# Allegro board SG2042_EVB_V1_1.brd (continued)
## Routing (per net, layer and track width the routed paths; a pad name or vN(x,y) marks a point on that pad's centre or on a via; arc(x,y) is an arc through that point) (continued)
ADDR: length 4.3
  TOP w0.102: U37.42 61.69,198.05 62.61,197.12 62.61,196.39 62.88,196.11 R480.1 R396.1
BISR_BYP: length 183.6
  TOP w0.102: R131.2 v1(259.01,115.54) SW3.6 ; U1.D41 v1(150.97,131.15)
  ART10 w0.102: v1(259.01,115.54) 252.88,121.68 252.88,170.66 v1(252.35,171.2)
  BOTTOM w0.102: v1(252.35,171.2) 251.97,171.58 196.06,171.58 194.71,172.92 186.83,172.92 150.97,137.06 v1(150.97,131.15)
BOOT_SEL0: length 131.5
  TOP w0.102: SW2.1 v1(29.96,162.33) R119.2 ; U1.J17 v1(125.97,126.15)
  ART10 w0.102: v1(29.96,162.33) 29.54,162.75 29.54,169.53 v1(29.96,169.95)
  BOTTOM w0.102: v1(29.96,169.95) 31.99,171.98 89.26,171.98 125.56,135.68 125.56,126.56 v1(125.97,126.15)
BOOT_SEL1: length 139.5
  TOP w0.089: 124.88,133.91 124.88,132.24 U1.C16
  TOP w0.102: R120.2 v1(29.96,163.6) SW2.2 ; v1(47.9,175.64) 48.77,176.5 61.44,176.5 62.13,177.19 80.9,177.19 90.5,167.59 91.58,167.59 105.45,153.72 124.14,153.72 124.88,152.98 124.88,133.91
  ART10 w0.102: v1(30.84,174.27) 30.56,173.99 30.56,164.2 v1(29.96,163.6)
  BOTTOM w0.102: v1(30.84,174.27) 30.94,174.37 46.63,174.37 v1(47.9,175.64)
BOOT_SEL2: length 125.4
  TOP w0.102: R121.2 v1(29.96,164.87) SW2.3 ; U1.H16 v1(124.97,127.15)
  BOTTOM w0.102: v1(124.97,127.15) 124.59,127.53 124.59,132.63 124.09,133.13 124.09,136.29 89,171.37 33.25,171.37 29.51,167.64 29.51,165.32 v1(29.96,164.87)
BOOT_SEL3: length 137.2
  TOP w0.089: U1.B16 125.08,133.04 125.08,133.82 125.17,133.92
  TOP w0.102: v1(47.04,175.64) 48.11,176.71 61.36,176.71 62.04,177.39 80.98,177.39 90.58,167.79 91.67,167.79 105.53,153.92 124.22,153.92 125.17,152.97 125.17,133.92 ; R122.2 v1(29.96,166.14) SW2.4
  ART10 w0.102: v1(29.97,174.27) 30.35,173.89 30.35,166.53 v1(29.96,166.14)
  BOTTOM w0.102: v1(29.97,174.27) 30.35,174.65 46.05,174.65 v1(47.04,175.64)
BOOT_SEL4: length 122.8
  TOP w0.102: U1.J16 v1(124.97,126.15) ; SW2.5 v1(29.96,167.41) R123.2
  BOTTOM w0.102: v1(29.96,167.41) 33.72,171.17 88.92,171.17 123.85,136.24 123.85,133.04 124.35,132.54 124.35,126.77 v1(124.97,126.15)
BOOT_SEL5: length 118
  TOP w0.102: SW2.6 v1(29.96,168.68) R125.2 ; U1.D16 v1(124.97,131.15)
  BOTTOM w0.102: v1(29.96,168.68) 32.86,171.58 89.09,171.58 124.97,135.69 v1(124.97,131.15)
BOOT_SEL6: length 470.4
  TOP w0.102: R126.2 v1(259.01,121.89) SW3.1 ; R2492.1 v1(282.42,136.7) ; U1.G18 v1(126.97,128.15)
  ART03 w0.102: v1(48.18,208.91) 49.5,210.24 52.43,210.24 53.52,211.33 81.54,211.33 82.15,211.94 86.17,211.94 86.73,211.38 198.75,211.38 203.57,216.2 212.99,216.2 214.05,217.27 230.11,217.27 230.67,216.71 243.94,216.71 244.29,217.07 244.68,217.07 v1(245.06,216.69)
  ART10 w0.102: v1(48.18,208.91) 48.18,207.8 47.4,207.01 47.4,194.76 48.69,193.46 48.69,177.72 v1(53.52,172.9) ; v1(259.01,121.89) 253.9,127.01 253.9,171.44 247.45,177.89 247.45,194.77 244.86,197.36 244.86,216.48 v1(245.06,216.69)
  BOTTOM w0.102: v1(126.97,128.15) 126.59,128.53 126.59,131.57 126.2,131.96 126.2,135.9 89.51,172.59 53.82,172.59 v1(53.52,172.9) ; v1(259.01,121.89) 262.88,125.76 273.02,125.76 282.42,135.15 v1(282.42,136.7)
BOOT_SEL7: length 439.2
  TOP w0.102: U1.F17 v1(125.97,129.15) ; SW3.2 v1(259.01,120.62) R127.2
  ART03 w0.102: v1(244.45,216.69) 244.27,216.51 230.58,216.51 230.02,217.07 214.14,217.07 213.07,216 203.66,216 198.83,211.18 86.64,211.18 86.09,211.73 82.23,211.73 81.62,211.12 53.6,211.12 52.51,210.03 49.84,210.03 48.32,208.51 v1(47.78,208.51)
  ART10 w0.102: v1(47.78,208.51) 47.78,207.68 47.19,207.1 47.19,194.67 48.49,193.38 48.49,177.06 v1(52.65,172.9) ; v1(244.45,216.69) 244.65,216.48 244.65,197.27 247.24,194.68 247.24,177.81 253.7,171.36 253.7,125.94 v1(259.01,120.62)
  BOTTOM w0.102: v1(125.97,129.15) 126.35,129.53 126.35,131.5 126,131.85 126,135.82 89.42,172.39 53.16,172.39 v1(52.65,172.9)
CAT_FLT_DDR: length 3.8
  TOP w0.102: TP16.1 232.69,212.93 232.05,212.93 231.36,212.23 U53.41
CAT_FLT_VDDC: length 5.8
  TOP w0.102: U37.41 61.64,197.65 62.36,196.93 62.36,195.25 62.76,194.84 64.19,194.84 TP6.1
CLKIN_SEL0: length 1.9
  TOP w0.254: U17.15 v1(140.64,22.96)
  BOTTOM w0.203: v1(140.64,22.96) 140.64,22.97 R2111.2
  BOTTOM w0.381: v1(140.64,22.96) 140.64,22.96 R2112.1
CLKIN_SEL1: length 1.9
  TOP w0.254: U17.18 v1(139.14,22.96)
  BOTTOM w0.203: v1(139.14,22.96) 139.14,22.97 R2113.2
  BOTTOM w0.381: R2114.1 139.14,22.96 v1(139.14,22.96)
CORPOWER_OK: length 31.4
  TOP w0.102: R594.2 v1(294.21,173.56) ; R2075.2 v1(270.99,188.82)
  ART03 w0.102: v1(270.99,188.82) 275.69,184.12 278.79,184.12 289.23,173.69 294.08,173.69 v1(294.21,173.56)
  BOTTOM w0.102: R594.2 v1(294.21,173.56)
CS1: length 131.1
  TOP w0.102: U37.27 56.64,194.26 v1(56.11,193.73)
  TOP w0.203: U34.38 v1(176.63,201.57)
  ART10 w0.102: v1(176.63,201.57) 171.09,207.11 76.85,207.11 68.42,198.68 65.85,198.68 65.36,198.2 63.05,198.2 62.01,197.15 59.23,197.15 56.11,194.03 v1(56.11,193.73)
CS1_DDR: length 147.3
  TOP w0.203: U53.27 v1(234.42,206.93) ; U54.38 v1(221.82,74.4)
  ART10 w0.102: v1(221.82,74.4) 222.94,75.52 222.94,80.62 225.81,83.49 225.81,96.82 230.43,101.44 230.43,119.25 236.96,125.78 236.96,188.82 237.54,189.41 237.54,190.84 238.94,192.24 238.94,196.03 237.82,197.15 237.82,203.69 238.84,204.71 238.84,207.2 238.18,207.85 235.34,207.85 v1(234.42,206.93)
CS2: length 124
  TOP w0.102: v1(56.11,192) 56.77,192.66 56.77,193.88 57.04,194.15 U37.28
  TOP w0.203: U35.38 v1(166.57,201.57)
  ART10 w0.102: v1(166.57,201.57) 161.44,206.71 77.02,206.71 68.59,198.27 66.01,198.27 65.53,197.79 63.22,197.79 62.18,196.75 59.4,196.75 56.69,194.04 56.69,192.58 v1(56.11,192)
CS2_DDR: length 357.2
  TOP w0.102: U53.38 232.56,211.76 232.71,211.91 234.62,211.91 236.35,213.64 v1(236.35,221.67)
  TOP w0.203: U55.38 v1(57.28,75.01)
  ART03 w0.102: v1(44.55,212.67) 45.42,212.67 47.12,214.38 80.27,214.38 80.88,214.99 87.43,214.99 87.99,214.43 104.41,214.43 105.7,215.72 112.95,215.72 114.25,214.43 172.2,214.43 177.87,220.09 211.97,220.09 213.52,221.64 228.88,221.64 229.24,221.28 235.97,221.28 v1(236.35,221.67)
  ART10 w0.102: v1(44.55,212.67) 44.55,210.82 41.99,208.25 41.99,180.19 42.65,179.53 42.65,99.63 58.39,83.88 58.39,76.13 v1(57.28,75.01)
CS3: length 109.1
  TOP w0.102: U37.29 57.44,193.89 v1(57.28,193.73)
  TOP w0.203: U36.38 v1(156.51,201.57)
  ART10 w0.102: v1(57.28,193.73) 57.28,194.05 59.57,196.34 62.34,196.34 63.39,197.38 65.51,197.38 65.68,197.21 68.09,197.21 77.19,206.3 151.79,206.3 v1(156.51,201.57)
CS4: length 101.9
  TOP w0.102: v1(57.28,192) 57.84,192.56 U37.30
  TOP w0.203: U39.38 v1(146.46,201.57)
  ART10 w0.102: v1(57.28,192) 57.86,192.58 57.86,194.06 59.74,195.94 62.51,195.94 63.2,196.62 64.9,196.62 65.05,196.77 68.24,196.77 77.36,205.89 142.13,205.89 v1(146.46,201.57)
CS5: length 87.5
  TOP w0.102: U37.31 58.24,193.93 v1(58.45,193.73)
  TOP w0.203: U40.38 v1(136.4,201.57)
  ART10 w0.102: v1(136.4,201.57) 132.48,205.49 77.52,205.49 67.59,195.55 64.97,195.55 64.44,196.09 63.43,196.09 62.87,195.53 59.91,195.53 58.45,194.07 v1(58.45,193.73)
CS6: length 80.5
  TOP w0.102: U37.32 58.64,194.22 59.03,193.83 59.03,192.58 v1(58.45,192)
  TOP w0.203: U38.38 v1(126.34,201.57)
  ART10 w0.102: v1(126.34,201.57) 122.83,205.08 77.69,205.08 67.76,195.15 64.8,195.15 64.27,195.68 63.6,195.68 63.04,195.12 60.08,195.12 59.03,194.08 59.03,192.58 v1(58.45,192)
CS7: length 65.2
  TOP w0.102: v1(59.61,193.73) 59.04,194.3 U37.33
  TOP w0.203: U42.38 v1(116.28,201.57)
  ART10 w0.102: v1(59.61,193.73) 59.61,194.01 60.33,194.72 67.9,194.72 77.86,204.67 113.18,204.67 v1(116.28,201.57)
CS8: length 58.2
  TOP w0.102: v1(59.61,192) 60.15,192.53 60.15,193.88 59.44,194.59 U37.34
  TOP w0.203: U41.38 v1(106.22,201.57)
  ART10 w0.102: v1(59.61,192) 60.2,192.58 60.2,193.97 60.54,194.31 68.07,194.31 78.03,204.27 103.53,204.27 v1(106.22,201.57)
CS9: length 43.2
  TOP w0.102: U37.35 59.84,194.67 v1(60.78,193.73)
  TOP w0.203: U44.38 v1(96.16,201.57)
  ART10 w0.102: v1(60.78,193.73) 60.96,193.9 68.24,193.9 78.2,203.86 93.87,203.86 v1(96.16,201.57)
CS10: length 325.5
  TOP w0.102: v1(60.78,192) 61.57,192.79 61.57,196.32 61.44,196.45 U37.38
  TOP w0.203: U43.38 v1(127.2,14.96)
  ART03 w0.102: v1(36.14,191.97) 37.39,190.73 59.51,190.73 v1(60.78,192)
  ART10 w0.102: v1(127.2,14.96) 127.2,14.38 125.7,12.88 111.81,12.88 110.06,14.63 31.47,14.63 11.1,35.01 11.1,111.6 12.04,112.54 12.04,129.77 20.65,138.38 20.65,176.48 v1(36.14,191.97)
DDR0_ACT_N: length 59.5
  TOP w0.16: U1.BB55 v1(163.97,92.15)
  BOTTOM w0.089: v1(163.97,92.15) 164.35,92.52 166.28,92.52 166.8,92 167.44,92 167.55,91.89 174.44,91.89 174.55,92.01
  BOTTOM w0.16: 174.55,92.01 184.26,101.71 186.36,101.71 188.94,104.29 188.94,112.13 194.43,117.62 195.01,117.62 arc(195.31,117.68) 195.57,117.86 195.95,118.24 arc(196.21,118.41) 196.52,118.47 196.91,118.47 arc(197.21,118.41) 197.47,118.24 197.85,117.86 arc(198.11,117.68) 198.42,117.62 198.81,117.62 arc(199.11,117.68) 199.37,117.86 199.75,118.24 arc(200.01,118.41) 200.32,118.47 201.61,118.47 arc(201.91,118.41) 202.17,118.24 202.55,117.86 arc(202.81,117.68) 203.12,117.62 J1.62
DDR0_ALERT_N: length 66.8
  TOP w0.16: J1.208 211.76,115.92 R2241.1 ; U1.AV51 v1(160.97,96.15)
  ART03 w0.089: v1(160.97,96.15) 161.57,95.55 166.99,95.55 168.82,93.72 168.98,93.72
  ART03 w0.168: J1.208 207.83,115.92 arc(207.51,115.99) 207.24,116.17 206.88,116.53 arc(206.61,116.71) 206.29,116.77 205.93,116.77 arc(205.61,116.71) 205.34,116.53 205.01,116.19 arc(204.73,116.01) 204.41,115.95 203.11,115.95 arc(202.79,116.01) 202.52,116.19 202.18,116.53 arc(201.91,116.71) 201.59,116.77 200.33,116.77 arc(200.01,116.71) 199.74,116.53 199.38,116.17 arc(199.11,115.99) 198.79,115.92 198.43,115.92 arc(198.11,115.86) 197.84,115.68 197.48,115.32 arc(197.21,115.14) 196.89,115.07 196.54,115.07 arc(196.21,115.14) 195.94,115.32 195.58,115.68 arc(195.31,115.86) 194.99,115.92 194.38,115.92 188.68,110.23 188.68,104.43 183.25,99 181.95,99 176.67,93.72 168.98,93.72
DDR0_ATB0: length 1.4
  TOP w0.16: U1.BD48 v1(157.97,90.15)
  BOTTOM w0.102: T11.1 v1(157.97,90.15)
DDR0_ATB1: length 1.4
  TOP w0.16: U1.BC48 v1(157.97,91.15)
  BOTTOM w0.102: T12.1 v1(157.97,91.15)
DDR0_BA0: length 50
  TOP w0.16: U1.BE55 v1(164.97,89.15)
  BOTTOM w0.089: 179.5,88.81 179.38,88.69 166.58,88.69 166.5,88.77 165.35,88.77 v1(164.97,89.15)
  BOTTOM w0.16: 179.5,88.81 186.64,95.95 189.54,95.95 189.7,96.11 189.7,96.84 189.86,97 190.26,97 190.42,96.84 190.42,96.32 190.58,96.16 190.98,96.16 191.14,96.32 191.14,97.06 191.3,97.22 191.7,97.22 191.86,97.06 191.86,96.32 192.02,96.16 192.42,96.16 192.58,96.32 192.58,97.06 192.74,97.22 193.14,97.22 193.3,97.06 193.3,96.32 193.46,96.16 193.86,96.16 194.02,96.32 194.02,97.06 194.18,97.22 195.01,97.22 arc(195.31,97.16) 195.57,96.99 195.95,96.61 arc(196.21,96.43) 196.52,96.37 196.91,96.37 arc(197.21,96.43) 197.47,96.61 197.85,96.99 arc(198.11,97.16) 198.42,97.22 198.81,97.22 arc(199.11,97.16) 199.37,96.99 199.75,96.61 arc(200.01,96.43) 200.32,96.37 J1.81
DDR0_BA1: length 52.9
  TOP w0.16: U1.BD54 v1(163.97,90.15)
  BOTTOM w0.089: 178.95,89.16 178.83,89.05 166.66,89.05 166.18,89.52 164.6,89.52 v1(163.97,90.15)
  BOTTOM w0.16: J1.224 207.82,97.22 arc(207.51,97.28) 207.25,97.46 206.87,97.84 arc(206.61,98.01) 206.3,98.07 205.92,98.07 arc(205.61,98.13) 205.35,98.31 204.97,98.69 arc(204.71,98.86) 204.4,98.92 203.12,98.92 arc(202.81,98.86) 202.55,98.69 202.17,98.31 arc(201.91,98.13) 201.61,98.07 200.32,98.07 arc(200.01,98.13) 199.75,98.31 199.14,98.92 arc(198.61,99.14) 198.09,98.92 197.47,98.31 arc(197.21,98.13) 196.91,98.07 196.52,98.07 arc(196.21,98.13) 195.95,98.31 195.57,98.69 arc(195.31,98.86) 195.01,98.92 190.81,98.92 188.48,96.59 186.38,96.59 178.95,89.16
DDR0_BG0: length 55.4
  TOP w0.16: U1.BC55 v1(164.97,92.15)
  BOTTOM w0.089: v1(164.97,92.15) 165.38,92.15 165.77,91.76 167.27,91.76 167.49,91.53 174.99,91.53 175.1,91.65
  BOTTOM w0.16: 175.1,91.65 184.52,101.07 186.63,101.07 189.58,104.03 189.58,111.07 194.43,115.92 195.01,115.92 arc(195.31,115.98) 195.57,116.16 195.95,116.54 arc(196.21,116.71) 196.52,116.77 196.91,116.77 arc(197.21,116.71) 197.47,116.54 197.85,116.16 arc(198.11,115.98) 198.42,115.92 198.81,115.92 arc(199.11,115.98) 199.37,116.16 199.75,116.54 arc(200.01,116.71) 200.32,116.77 J1.63
DDR0_BG1: length 63.4
  TOP w0.16: U1.AV52 v1(161.97,96.15)
  ART03 w0.089: 168.98,94.22 168.59,94.22 167.07,95.74 162.38,95.74 v1(161.97,96.15)
  ART03 w0.168: 168.98,94.22 176.46,94.22 181.74,99.5 183.04,99.5 188.18,104.64 188.18,111.42 194.38,117.62 194.99,117.62 arc(195.31,117.56) 195.58,117.38 195.94,117.02 arc(196.21,116.84) 196.54,116.77 196.89,116.77 arc(197.21,116.84) 197.48,117.02 197.84,117.38 arc(198.11,117.56) 198.43,117.62 198.79,117.62 arc(199.11,117.69) 199.38,117.87 199.74,118.23 arc(200.01,118.41) 200.33,118.47 201.59,118.47 arc(201.91,118.41) 202.18,118.23 202.54,117.87 arc(202.81,117.69) 203.13,117.62 204.39,117.62 arc(204.71,117.69) 204.98,117.87 205.34,118.23 arc(205.61,118.41) 205.93,118.47 206.11,118.47 arc(206.43,118.41) 206.71,118.23 J1.207
DDR0_CAL_0: length 2.8
  TOP w0.16: U1.BA49 v1(158.97,93.15)
  BOTTOM w0.102: T10.1 159.47,93.89 R701.1 159.21,93.15 v1(158.97,93.15)
DDR0_CID0: length 49.8
  TOP w0.16: U1.BG52 v1(161.97,87.15)
  ART03 w0.089: 168.98,84.52 168.77,84.52 168.48,84.82 168.48,85.03 167.49,86.02 167.49,86.2 166.14,87.55 162.38,87.55 v1(161.97,87.15)
  ART03 w0.168: J1.93 200.33,86.17 arc(200.01,86.11) 199.74,85.93 199.38,85.57 arc(199.11,85.39) 198.79,85.32 198.43,85.32 arc(198.11,85.39) 197.84,85.57 197.48,85.93 arc(197.21,86.11) 196.89,86.17 196.53,86.17 arc(196.21,86.11) 195.94,85.93 195.58,85.57 arc(195.31,85.39) 194.99,85.32 193.52,85.32 193.35,85.49 193.35,85.84 193.18,86 192.76,86 192.59,85.84 192.59,85.49 192.43,85.32 192.01,85.32 191.84,85.49 191.84,85.84 191.67,86 191.25,86 191.09,85.84 191.09,85.49 190.92,85.32 190.5,85.32 190.33,85.49 190.33,85.84 190.16,86 189.74,86 189.58,85.84 189.58,85.49 189.41,85.32 188.99,85.32 188.82,85.49 188.82,85.84 188.65,86 188.24,86 188.07,85.84 188.07,85.49 187.9,85.32 182.63,85.32 181.83,84.52 168.98,84.52
DDR0_CID1: length 51.5
  TOP w0.16: U1.BF51 v1(160.97,88.15)
  ART03 w0.089: v1(160.97,88.15) 161.38,87.74 166.22,87.74 167.68,86.28 167.68,86.09 168.75,85.03 168.98,85.03
  ART03 w0.168: 168.98,85.03 181.62,85.03 183.61,87.02 194.99,87.02 arc(195.31,87.09) 195.58,87.27 195.94,87.63 arc(196.21,87.81) 196.53,87.87 196.89,87.87 arc(197.21,87.81) 197.48,87.63 197.84,87.27 arc(198.11,87.09) 198.44,87.02 198.79,87.02 arc(199.11,87.09) 199.38,87.27 199.74,87.63 arc(200.01,87.81) 200.33,87.87 201.59,87.87 arc(201.91,87.81) 202.18,87.63 202.54,87.27 arc(202.81,87.09) 203.13,87.02 204.39,87.02 arc(204.71,86.96) 204.98,86.78 205.34,86.42 arc(205.61,86.24) 205.93,86.17 J1.237
DDR0_CKE0: length 63.6
  TOP w0.16: U1.AU50 v1(159.97,97.15)
  ART03 w0.089: v1(159.97,97.15) 160.57,96.55 166.96,96.55 168.79,94.72 168.98,94.72
  ART03 w0.168: J1.60 203.13,119.32 arc(202.81,119.39) 202.54,119.57 202.18,119.93 arc(201.91,120.11) 201.59,120.17 200.33,120.17 arc(200.01,120.11) 199.74,119.93 199.38,119.57 arc(199.11,119.39) 198.79,119.32 198.43,119.32 arc(198.11,119.26) 197.84,119.08 197.48,118.72 arc(197.21,118.54) 196.89,118.47 196.54,118.47 arc(196.21,118.54) 195.94,118.72 195.58,119.08 arc(195.31,119.26) 194.99,119.32 194.38,119.32 187.68,112.62 187.68,104.85 182.83,100 181.53,100 176.25,94.72 168.98,94.72
DDR0_CKE1: length 65.9
  TOP w0.16: U1.AU51 v1(160.97,97.15)
  ART03 w0.089: v1(160.97,97.15) 161.38,96.74 167.04,96.74 168.56,95.22 168.98,95.22
  ART03 w0.168: J1.203 205.93,120.17 arc(205.61,120.24) 205.34,120.42 204.98,120.78 arc(204.71,120.96) 204.39,121.02 203.13,121.02 arc(202.81,121.09) 202.54,121.27 202.18,121.63 arc(201.91,121.81) 201.59,121.87 200.33,121.87 arc(200.01,121.81) 199.74,121.63 199.38,121.27 arc(199.11,121.09) 198.79,121.02 198.43,121.02 arc(198.11,120.96) 197.84,120.78 197.48,120.42 arc(197.21,120.24) 196.89,120.17 196.54,120.17 arc(196.21,120.24) 195.94,120.42 195.58,120.78 arc(195.31,120.96) 194.99,121.02 194.38,121.02 187.17,113.82 187.17,105.05 182.62,100.5 181.33,100.5 176.05,95.22 168.98,95.22
DDR0_CLK0_N: length 57.3
  TOP w0.14: U1.BB52 v1(161.97,92.15)
  ART03 w0.109: 168.98,89.55 168.95,89.55 168.93,89.58 168.54,89.58 167.81,90.31 167.81,90.89 167.16,91.54 162.46,91.54 162.22,91.78 162.22,91.9 v1(161.97,92.15)
  ART03 w0.145: 168.98,89.55 179.74,89.55 180.45,90.26 180.45,90.68 180.13,91 180.13,91.2 180.54,91.61 180.74,91.61 181.06,91.3 181.48,91.3 182.05,91.86 182.05,92.28 181.73,92.6 181.73,92.81 182.14,93.22 182.35,93.22 182.66,92.9 183.09,92.9 183.65,93.46 183.65,93.89 183.33,94.21 183.33,94.41 183.74,94.82 183.95,94.82 184.27,94.5 184.69,94.5 193.38,103.19 199.05,103.19 arc(199.43,103.27) 199.75,103.48 203.35,107.08 arc(203.58,107.23) 203.86,107.29 204.79,107.29 arc(204.89,107.26) 204.96,107.19 204.97,107.17 arc(204.99,106.98) 204.87,106.84 J1.75
DDR0_CLK0_P: length 57.3
  TOP w0.14: U1.BB53 v1(162.97,92.15)
  ART03 w0.109: v1(162.97,92.15) 162.54,92.15 162.43,92.04 162.43,91.87 162.54,91.75 167.25,91.75 168.02,90.98 168.02,90.4 168.62,89.79 168.94,89.79 168.97,89.82 168.98,89.82
  ART03 w0.145: J1.74 205.06,107.55 arc(205.01,107.55) 204.96,107.55 204.79,107.55 arc(204.79,107.55) 204.79,107.55 203.86,107.55 arc(203.48,107.48) 203.16,107.26 199.56,103.67 arc(199.33,103.51) 199.05,103.45 193.27,103.45 184.58,94.77 184.38,94.77 184.06,95.09 183.63,95.09 183.07,94.52 183.07,94.1 183.39,93.78 183.39,93.57 182.98,93.16 182.77,93.16 182.46,93.48 182.03,93.48 181.47,92.92 181.47,92.49 181.79,92.17 181.79,91.97 181.38,91.56 181.17,91.56 180.85,91.88 180.43,91.88 179.86,91.31 179.86,90.89 180.18,90.57 180.18,90.37 179.63,89.82 168.98,89.82
DDR0_CLK1_N: length 56.3
  TOP w0.14: U1.BC53 v1(162.97,91.15)
  ART03 w0.109: v1(162.97,91.15) 163.21,90.91 163.21,90.78 163.44,90.54 166.36,90.54 168.45,88.45 168.93,88.45 168.95,88.42 168.98,88.42
  ART03 w0.145: 168.98,88.42 180.21,88.42 193.84,102.05 199.94,102.05 arc(200.32,102.12) 200.63,102.33 203.68,105.38 arc(203.91,105.53) 204.19,105.59 204.38,105.59 arc(204.76,105.66) 205.08,105.88 205.43,106.23 arc(205.66,106.38) 205.94,106.44 206.28,106.44 arc(206.66,106.51) 206.98,106.73 207.33,107.08 arc(207.56,107.23) 207.84,107.29 208.59,107.29 arc(208.69,107.26) 208.76,107.19 208.77,107.17 arc(208.79,106.98) 208.67,106.84 J1.219
DDR0_CLK1_P: length 56.3
  TOP w0.14: U1.BC54 v1(163.97,91.15)
  ART03 w0.109: v1(163.97,91.15) 163.53,91.15 163.42,91.04 163.42,90.86 163.53,90.75 166.45,90.75 168.54,88.66 168.93,88.66 168.95,88.69 168.98,88.69
  ART03 w0.145: 168.98,88.69 180.1,88.69 193.73,102.31 199.94,102.31 arc(200.21,102.37) 200.44,102.52 203.49,105.56 arc(203.81,105.78) 204.19,105.85 204.38,105.85 arc(204.66,105.91) 204.89,106.07 205.24,106.41 arc(205.56,106.63) 205.94,106.7 206.28,106.7 arc(206.56,106.76) 206.79,106.92 207.14,107.26 arc(207.46,107.48) 207.84,107.55 208.76,107.55 arc(208.81,107.55) 208.86,107.55 J1.218
DDR0_CS_N0: length 47.7
  TOP w0.16: U1.BF56 v1(165.97,88.15)
  BOTTOM w0.089: v1(165.97,88.15) 166.29,88.15 166.45,87.98 180.48,87.98 180.6,88.1
  BOTTOM w0.16: J1.84 203.12,93.82 arc(202.81,93.76) 202.55,93.59 202.17,93.21 arc(201.91,93.03) 201.61,92.97 200.32,92.97 arc(200.01,93.03) 199.75,93.21 199.37,93.59 arc(199.11,93.76) 198.81,93.82 198.42,93.82 arc(198.11,93.76) 197.85,93.59 197.47,93.21 arc(197.21,93.03) 196.91,92.97 196.52,92.97 arc(196.21,93.03) 195.95,93.21 195.57,93.59 arc(195.31,93.76) 195.01,93.82 194.6,93.82 194.28,94.13 189.69,94.13 189.53,93.97 189.53,93.33 189.37,93.17 188.97,93.17 188.81,93.33 188.81,93.97 188.65,94.13 188.25,94.13 188.09,93.97 188.09,93.33 187.93,93.17 187.53,93.17 187.37,93.33 187.37,93.97 187.21,94.13 186.64,94.13 180.6,88.1
DDR0_CS_N1: length 46.6
  TOP w0.16: U1.BG55 v1(164.97,87.15)
  BOTTOM w0.089: 182.25,87.03 182.13,86.91 166.46,86.91 166.32,86.77 165.35,86.77 v1(164.97,87.15)
  BOTTOM w0.16: 182.25,87.03 185.47,90.25 186.15,90.25 186.31,90.41 186.31,90.95 186.47,91.11 186.87,91.11 187.03,90.95 187.03,90.41 187.19,90.25 187.59,90.25 187.75,90.41 187.75,90.95 187.91,91.11 188.31,91.11 188.47,90.95 188.47,90.41 188.63,90.25 189.03,90.25 189.19,90.41 189.19,90.95 189.35,91.11 189.75,91.11 189.91,90.95 189.91,90.41 190.07,90.25 194.06,90.25 194.23,90.42 195.01,90.42 arc(195.31,90.36) 195.57,90.19 195.95,89.81 arc(196.21,89.63) 196.52,89.57 196.91,89.57 arc(197.21,89.63) 197.47,89.81 197.85,90.19 arc(198.11,90.36) 198.42,90.42 198.81,90.42 arc(199.11,90.36) 199.37,90.19 199.75,89.81 arc(200.01,89.63) 200.32,89.57 J1.89
DDR0_DM0_N: length 95.7
  TOP w0.14: U1.AJ55 v1(164.97,105.15)
  BOTTOM w0.109: v1(164.97,105.15) 165.15,105.32 165.15,105.52 165.38,105.75 166.23,105.75 166.49,106.01 166.49,108.35 166.43,108.41 166.43,108.43
  BOTTOM w0.14: 166.43,108.43 166.43,146.68 184.52,164.79 185.71,164.79 185.85,164.92 185.85,165.2 186.18,165.53 187.01,165.53 187.35,165.2 187.35,164.92 187.49,164.79 188.04,164.79 188.18,164.92 188.18,165.2 188.52,165.53 189.35,165.53 189.68,165.2 189.68,164.92 189.82,164.79 190.38,164.79 190.52,164.92 190.52,165.2 190.85,165.53 191.69,165.53 192.02,165.2 192.02,164.92 192.16,164.79 193.25,164.79 193.85,165.39 194.98,165.39 arc(195.37,165.31) 195.71,165.09 196.05,164.74 arc(196.28,164.59) 196.55,164.54 196.88,164.54 arc(197.15,164.59) 197.37,164.74 197.72,165.09 arc(198.05,165.31) 198.45,165.39 198.78,165.39 arc(199.17,165.31) 199.51,165.09 199.85,164.74 arc(200.08,164.59) 200.35,164.54 201.58,164.54 arc(201.85,164.59) 202.07,164.74 202.42,165.09 arc(202.75,165.31) 203.14,165.39 204.38,165.39 arc(204.77,165.31) 205.11,165.08 205.53,164.67 arc(205.53,164.66) 205.53,164.66 arc(205.54,164.65) 205.56,164.63 arc(205.65,164.51) 205.71,164.36 J1.8
DDR0_DM0_P: length 95.6
  TOP w0.14: U1.AJ56 v1(165.97,105.15)
  BOTTOM w0.109: 166.76,108.43 166.76,108.41 166.7,108.35 166.7,105.92 166.32,105.54 165.47,105.54 165.36,105.43 165.36,105.26 165.47,105.15 v1(165.97,105.15)
  BOTTOM w0.14: 166.76,108.43 166.76,146.54 184.66,164.45 185.84,164.45 186.18,164.79 186.18,165.06 186.32,165.2 186.88,165.2 187.02,165.06 187.02,164.79 187.35,164.45 188.18,164.45 188.51,164.79 188.51,165.06 188.65,165.2 189.21,165.2 189.35,165.06 189.35,164.79 189.69,164.45 190.52,164.45 190.85,164.79 190.85,165.06 190.99,165.2 191.55,165.2 191.69,165.06 191.69,164.79 192.02,164.45 193.39,164.45 193.99,165.06 194.98,165.06 arc(195.25,165) 195.47,164.85 195.82,164.51 arc(196.15,164.28) 196.55,164.21 196.88,164.21 arc(197.27,164.28) 197.61,164.51 197.95,164.85 arc(198.18,165) 198.45,165.06 198.78,165.06 arc(199.05,165) 199.27,164.85 199.62,164.51 arc(199.95,164.28) 200.35,164.21 201.58,164.21 arc(201.97,164.28) 202.31,164.51 202.65,164.85 arc(202.88,165) 203.14,165.06 204.38,165.06 arc(204.65,165) 204.87,164.85 205.29,164.43 arc(205.38,164.27) 205.34,164.09 205.34,164.09 arc(205.22,163.98) 205.06,164 J1.7
DDR0_DM1_N: length 88.6
  TOP w0.14: U1.AP56 v1(165.97,100.15)
  BOTTOM w0.109: 167.89,101.47 167.87,101.47 167.81,101.53 167.42,101.53 166.43,100.54 165.53,100.54 165.4,100.41 165.4,100.26 165.51,100.15 v1(165.97,100.15)
  BOTTOM w0.14: J1.19 204.91,154.46 arc(205.01,154.58) 204.99,154.74 arc(204.91,154.82) 204.8,154.86 203.14,154.86 arc(202.88,154.8) 202.65,154.65 202.31,154.31 arc(201.97,154.08) 201.58,154.01 200.35,154.01 arc(199.95,154.08) 199.62,154.31 199.27,154.65 arc(199.05,154.8) 198.78,154.86 198.45,154.86 arc(198.18,154.8) 197.95,154.65 197.61,154.31 arc(197.27,154.08) 196.88,154.01 196.55,154.01 arc(196.15,154.08) 195.82,154.31 195.47,154.65 arc(195.25,154.8) 194.98,154.86 194.3,154.86 191.01,151.56 191.01,151.03 179.07,139.09 178.59,139.09 178.19,139.5 177.99,139.5 177.59,139.1 177.59,138.91 178,138.5 178,138.03 177.41,137.44 176.94,137.44 176.53,137.85 176.34,137.85 175.94,137.45 175.94,137.25 176.35,136.85 176.35,136.37 175.76,135.79 175.29,135.79 174.88,136.19 174.68,136.19 174.29,135.8 174.29,135.6 174.69,135.19 174.69,134.72 174.11,134.13 173.63,134.13 173.23,134.54 173.03,134.54 172.63,134.14 172.63,133.95 173.04,133.54 173.04,133.07 172.36,132.39 172.36,104.43 169.4,101.47 167.89,101.47
DDR0_DM1_P: length 88.6
  TOP w0.14: U1.AP55 v1(164.97,100.15)
  BOTTOM w0.109: v1(164.97,100.15) 165.19,100.36 165.19,100.5 165.44,100.75 166.34,100.75 167.33,101.74 167.81,101.74 167.87,101.8 167.89,101.8
  BOTTOM w0.14: 167.89,101.8 169.26,101.8 172.03,104.57 172.03,132.52 172.71,133.2 172.71,133.4 172.3,133.81 172.3,134.28 172.89,134.87 173.36,134.87 173.77,134.46 173.97,134.46 174.36,134.86 174.36,135.05 173.96,135.46 173.96,135.93 174.55,136.52 175.02,136.52 175.42,136.12 175.62,136.12 176.02,136.51 176.02,136.71 175.61,137.12 175.61,137.59 176.2,138.18 176.67,138.18 177.08,137.77 177.28,137.77 177.67,138.16 177.67,138.36 177.26,138.77 177.26,139.24 177.85,139.83 178.32,139.83 178.73,139.42 178.93,139.42 190.68,151.17 190.68,151.7 194.16,155.19 194.98,155.19 arc(195.37,155.11) 195.71,154.89 196.05,154.54 arc(196.28,154.39) 196.55,154.34 196.88,154.34 arc(197.15,154.39) 197.37,154.54 197.72,154.89 arc(198.05,155.11) 198.45,155.19 198.78,155.19 arc(199.17,155.11) 199.51,154.89 199.85,154.54 arc(200.08,154.39) 200.35,154.34 201.58,154.34 arc(201.85,154.39) 202.07,154.54 202.42,154.89 arc(202.75,155.11) 203.14,155.19 204.97,155.19 arc(205.03,155.18) 205.1,155.18 J1.18